# Altium PCB 3-as-manufactured.pcbdoc (part 9 of 12)
Units mil, origin at the board's own origin, x right, y up, seen from the top; angles counter-clockwise.
Board outline 2728 x 2217 mil, 8 copper layers (L1_TOP, L2_GND, L3_INNER1, L4_GND, L5_PWR, L6_INNER2, L7_GND, L8_BOT), stack 48.618 mil thick; 227 components, 321 nets, 1592 pads, 1187 vias.
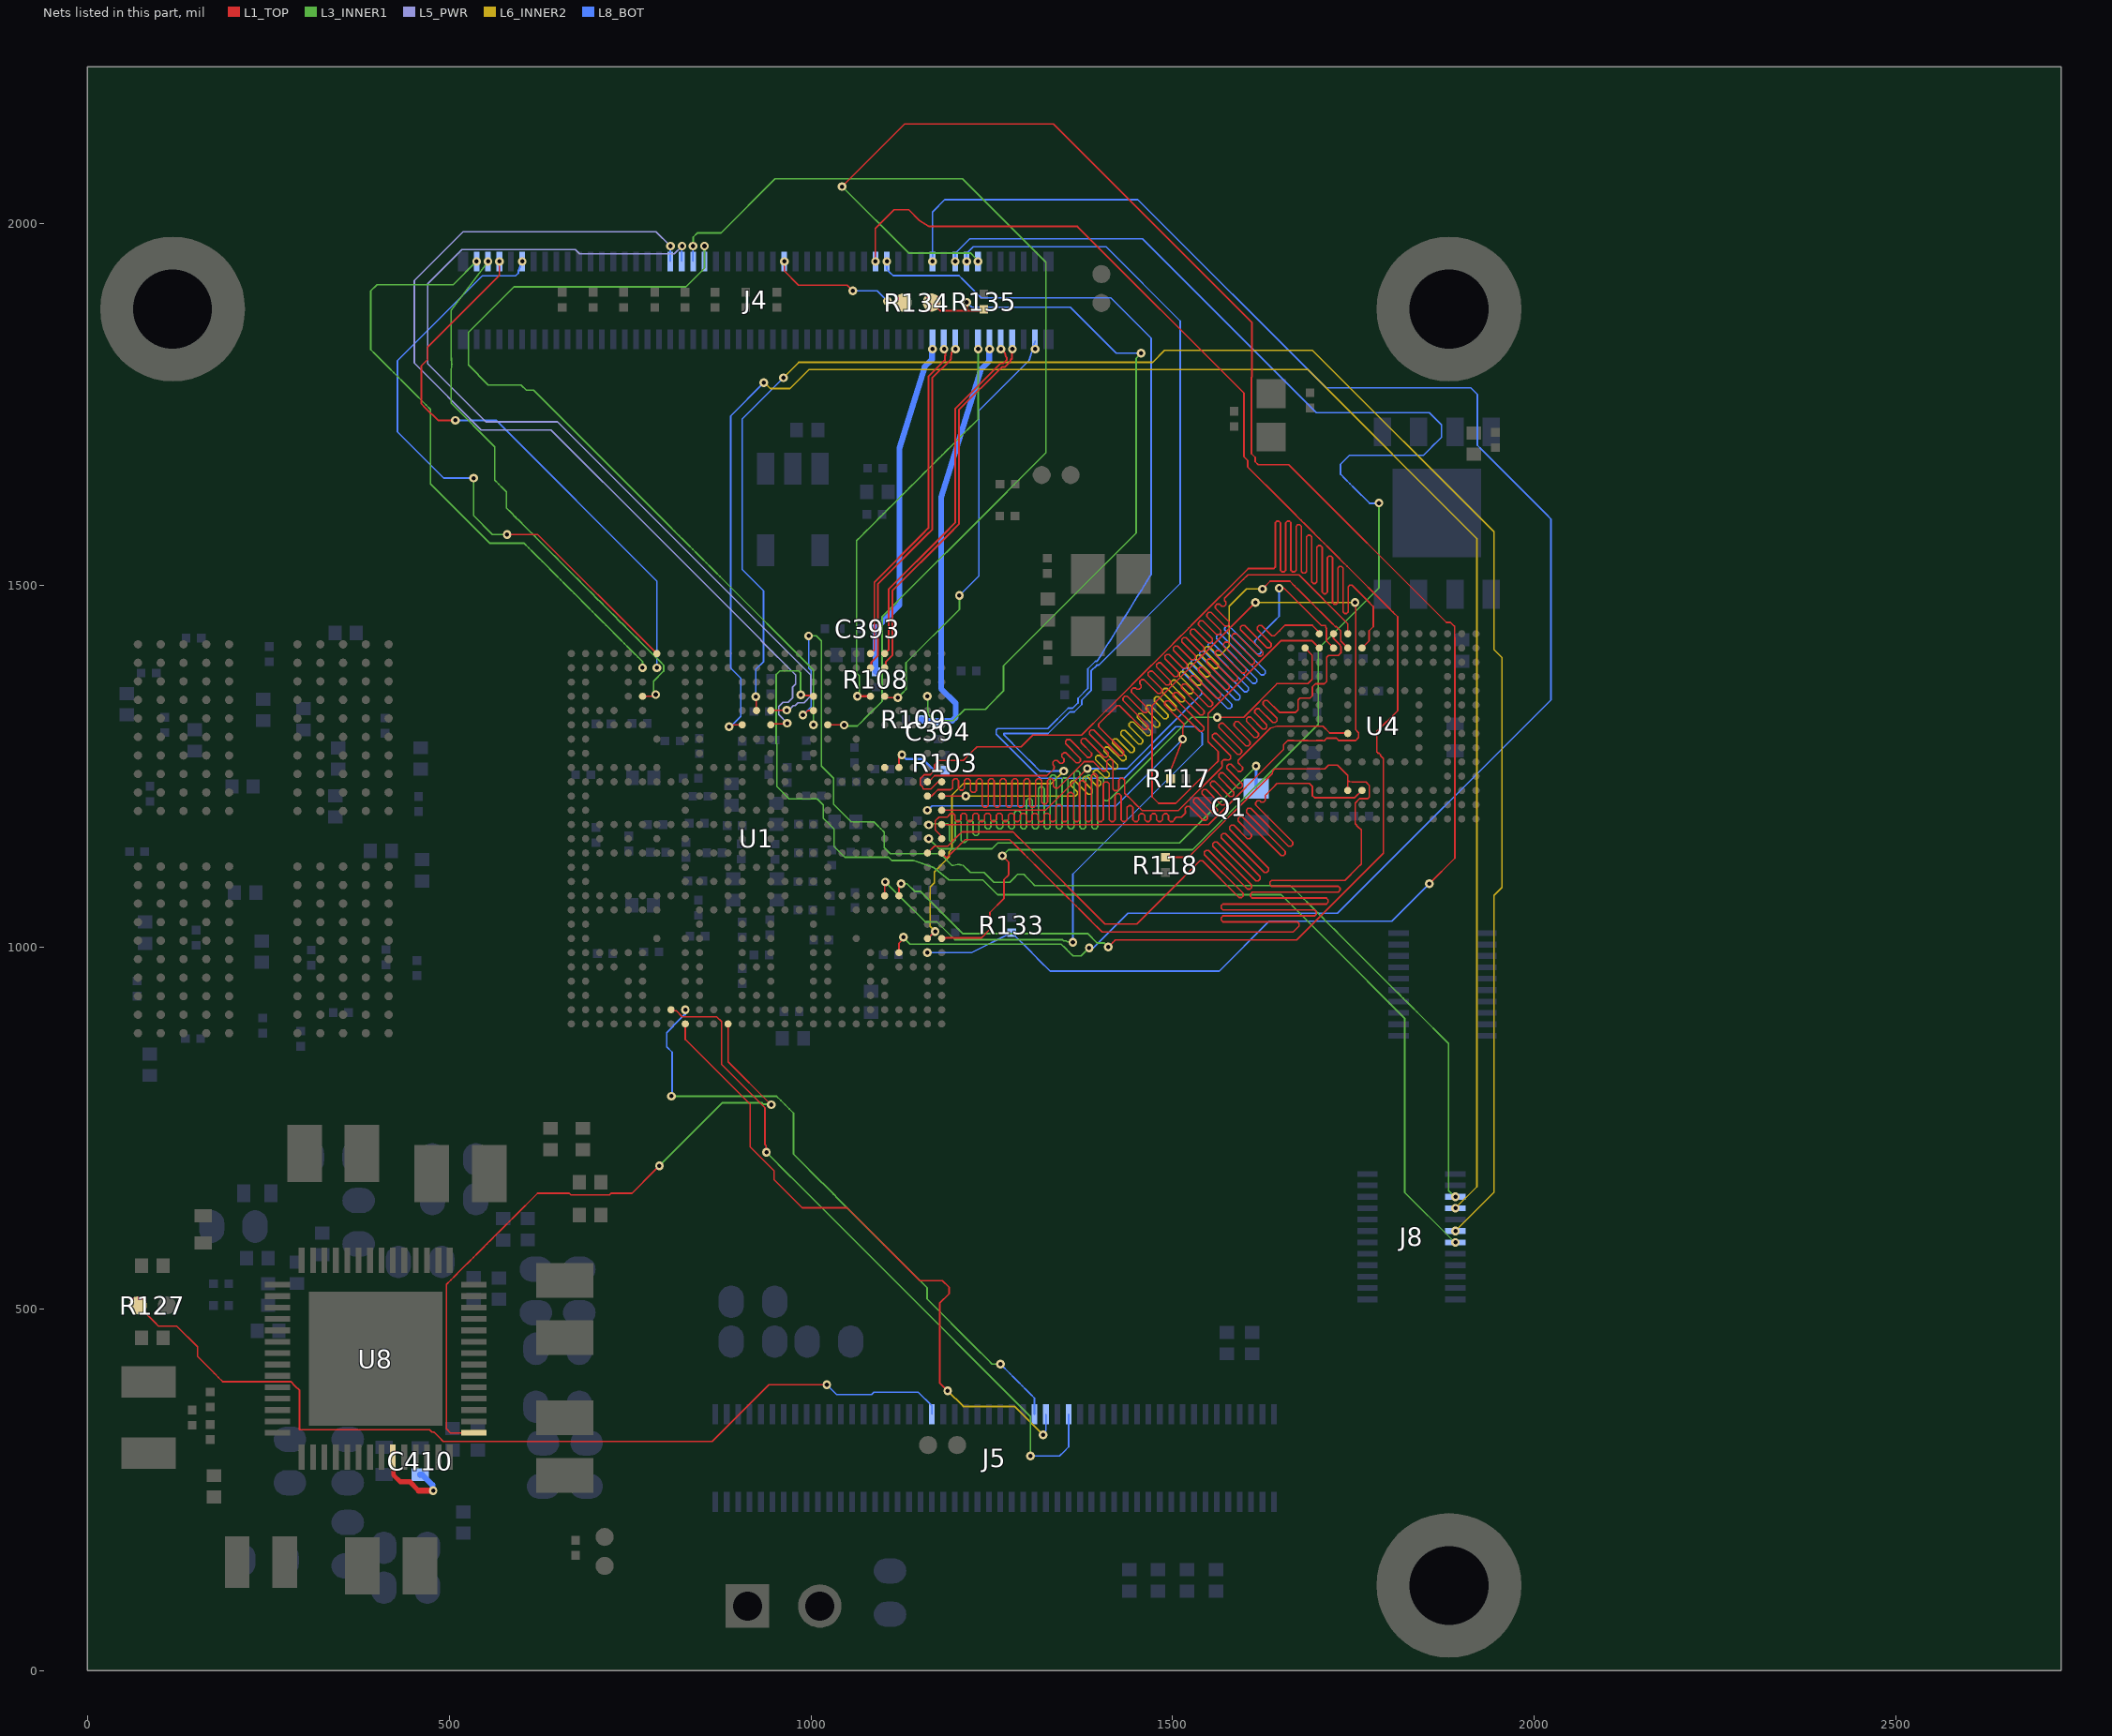
[diagram p15: the nets of this part, all layers, seen from the top]

## Via types
v1: diameter 12, hole 5.9, L1_TOP to L8_BOT, tented both sides, 1041 vias
v2: diameter 18, hole 8, L1_TOP to L8_BOT, tented both sides, 146 vias

## Nets (pads, with @x,y where several pads share a name; then routed paths per layer and width w, separated by ;. In a path a pad name is that pad's centre, name@x,y a point inside that pad or via, vN(x,y) a via of type N, cw(c..) or ccw(c..) an arc to the next point about the centre after c; other vN are vias at no path point) (continued)
SD2_DATA1: J4.82 U1.AB24 | length 2480.9
  L1_TOP w2.2: U1.AB24@1121.74,992.42 1121.74,1005.61 1128,1011.87 v1(1128,1014)
  L3_INNER1 w2.2: v1(1128,1014) 1128,1013.3 1136.89,1004.41 1171.73,1004.41 1180.44,1004.41 1223.98,1004.41 1345.91,1004.41 1351.4,998.92 1356.9,993.42 1362.39,987.93 1373.39,987.93 v1(1384.58,999.11)
  L8_BOT w2.2: v1(1167.98,1947.75) 1167.97,2016.14 1184.88,2033.04 1451.96,2033.04 1712.02,1772.98 1911.86,1772.98 1920.94,1763.91 1920.94,1693.69 1927.3,1687.33 2010.03,1604.61 2016.39,1598.24 2022.76,1591.88 2022.76,1341.76 1727.89,1046.89 1437.99,1046.89 1390.21,999.11 v1(1384.58,999.11)
SD2_DATA2: J4.72 U1.V24 | length 2185.8
  L1_TOP w2.2: v1(1089.24,1947.75) 1089.24,1993.24 1115,2019 1135.43,2019 1149.95,2004.48 1163.62,1996.07 1368.42,1996.07 1598.5,1765.99 1598.5,1677.75 1603.7,1672.55 1603.7,1663.79 1651.93,1615.56 1658.29,1609.2 1664.64,1602.85 1677.36,1590.13 1683.71,1583.78 1690.07,1577.42 1702.78,1564.71 1709.14,1558.35 1715.49,1552 1728.21,1539.28 1734.56,1532.93 1740.92,1526.57 1798.12,1469.37 1804.48,1463.01 1810.84,1456.65 1810.84,1439.34 1810.84,1387.41 1810.84,1378.75 1810.84,1361.44 1810.84,1344.13 1810.84,1326.82 1782.18,1298.16 1782.18,1269.78 1783.81,1268.15 1784.96,1268.15 1787.16,1265.95 1787.16,1264.8 1791.18,1260.78 1791.18,1173.23 1791.22,1173.19 1791.22,1130.11 1671.11,1009.99 1420.75,1009.99 1417.14,1006.39 v1(1411.03,1000.28) ; U1.V24@1121.74,1071.16 1121.74,1086.83 v1@1124.69,1089.78
  L3_INNER1 w2.2: v1(1124.64,1087.96) 1132.68,1087.95 1143.42,1077.22 1151.4,1077.22 1209.69,1018.93 1225,1018.93 1382.53,1018.93 1395.73,1005.73 1405.59,1005.73 v1(1411.03,1000.28)
SD2_DATA3: J4.74 U1.V23 | length 2106.2
  L1_TOP w2.2: U1.V23@1102.05,1071.16 1102.05,1089.3 v1(1102.93,1090.18)
  L3_INNER1 w2.2: v1(1102.93,1090.18) 1109.07,1084.04 1121.34,1071.77 1127.48,1065.63 1158.15,1034.96 1174.24,1034.96 1198.78,1010.41 1344.08,1010.41 1347.8,1010.41 1349.33,1008.88 1353.05,1008.88 1354.27,1007.66 1361.32,1007.66 v1(1362.08,1006.9)
  L8_BOT w2.2: J4.74@1105,1947.76 1104.98,1936.74 1109.26,1932.47 1113.53,1928.19 1204.62,1928.19 1210.81,1922.01 1223.18,1909.64 1229.37,1903.45 1235.55,1897.26 1368,1897.26 1376.83,1897.26 1414.43,1897.26 1470.16,1841.54 1470.16,1514.99 1465.47,1507.45 1460.78,1499.91 1456.09,1492.37 1451.4,1484.83 1446.71,1477.29 1442.02,1469.75 1437.33,1462.21 1432.64,1454.67 1427.96,1447.13 1423.27,1439.59 1418.58,1432.05 1413.89,1424.51 1409.2,1416.97 1404.51,1409.43 1399.82,1401.89 1396.19,1396.06 1395.15,1395.02 1394.32,1395.02 1393.06,1395.02 1382.8,1384.76 1382.8,1357.68 1369.09,1343.97 1369.09,1337.6 1361.88,1330.39 1355.51,1330.39 1327.23,1302.11 1257.92,1302.11 1256.23,1300.42 1256.23,1294.38 1316.92,1233.69 1325.85,1233.69 1343.71,1233.69 1352.64,1233.69 1361.57,1233.69 1433.02,1233.69 1504.21,1304.89 1531.59,1304.89 1540.75,1295.72 1540.75,1279.75 1362.08,1101.08 1362.08,1018.73 v1(1362.08,1006.9)
  other v1: 1104.99,1947.75
SD2_NCD: J4.88 U1.AA26 | length 1557.6
  L1_TOP w2.2: U1.AA26@1161.11,1012.1 1161.53,1012.1 1171.31,1021.88 v1(1171.73,1021.88)
  L6_INNER2 w2.2: v1(1171.73,1021.88) 1164.64,1028.97 1164.64,1083.4 1170.52,1089.28 1170.52,1104.13 1191.07,1124.68 1191.07,1131.98 1195,1135.92 1195,1210 1211,1226 1225,1226 1332.15,1226 v1(1349.59,1243.44)
  L8_BOT w2.2: v1(1215.23,1947.75) 1215.22,1958.79 1224.24,1967.82 1408.02,1967.82 1510.43,1865.41 1510.43,1679.32 1510.43,1670.36 1510.43,1661.4 1510.43,1652.44 1510.43,1506.58 1510.43,1502.55 1397.7,1389.82 1395.21,1389.82 1387.2,1381.81 1387.2,1354.72 1374.29,1341.81 1374.29,1335.44 1364.04,1325.19 1357.66,1325.19 1327.77,1295.3 1266.43,1295.3 1266.43,1293.64 1291.52,1268.54 1297.8,1262.27 1304.07,1255.99 1316.62,1243.44 1324.86,1243.44 1325.49,1242.82 1332.48,1242.82 1333.11,1243.44 v1(1349.59,1243.44)
SD2_NRST: J4.90 R133.2 U1.AB26 | length 2653
  L1_TOP w2.2: v1(1043.22,2051.16) 1129.61,2137.55 1334.98,2137.55 1609.59,1862.93 1609.59,1788.63 1608.9,1787.94 1608.9,1682.06 1614.1,1676.86 1614.1,1671.12 1618.41,1666.81 1660.25,1666.81 1878.28,1448.78 1883.85,1448.78 1886.63,1446 1889.41,1443.22 1889.41,1428.68 1889.89,1428.2 1889.89,1419.22 1889.89,1329.48 1889.89,1320.51 1889.89,1230.76 1889.89,1221.79 1889.89,1212.81 1889.89,1203.84 1889.89,1167.94 1889.89,1123.07 v1(1854.64,1087.81)
  L3_INNER1 w2.2: v1(1043.22,2051.16) 1135.02,1959.36 1220.37,1959.36 1227.93,1951.79 v1(1230.98,1947.75)
  L8_BOT w2.2: v1(1161.11,992.42) 1182.14,992.42 1198.14,992.42 1222.14,992.42 R133.2@1277.5,1020.09 1302.65,994.96 1308.93,988.67 1315.22,982.39 1330.52,967.08 1564.27,967.08 1633.01,1035.82 1802.65,1035.82 v1(1854.64,1087.81)
SD2_VSEL: U1.AG12 U8.29 | length 930.9
  L1_TOP w2.2: U8.29@534.52,328.87 502.01,328.88 496.28,334.6 496.28,343.28 496.28,351.95 496.28,360.61 496.28,369.28 496.28,377.95 496.28,386.61 496.28,395.28 496.28,403.95 496.28,412.61 496.28,421.28 496.28,429.95 496.28,438.61 496.28,447.28 496.28,455.95 496.28,464.61 496.28,473.28 496.28,481.95 496.28,490.61 496.28,499.28 496.28,507.95 496.28,516.61 496.28,525.28 496.28,533.95 502.51,540.17 508.73,546.4 514.96,552.63 521.19,558.86 527.42,565.08 533.64,571.31 539.87,577.54 546.1,583.76 552.32,589.99 558.55,596.22 564.78,602.45 571.01,608.67 577.23,614.9 583.46,621.13 589.69,627.35 622.33,660 666.2,660 668.3,657.9 721.7,657.9 723.8,660 752.92,660 784.2,691.29 v1(790.66,697.74) ; U1.AG12@885.76,892.8 885.76,841.63 945.01,782.38 v1(945.21,782.38)
  L3_INNER1 w2.2: v1(790.66,697.74) 878.01,785.09 885.8,785.09 893.58,785.09 901.37,785.09 909.16,785.09 916.94,785.09 924.73,785.09 932.51,785.09 934.47,783.13 944.46,783.13 v1(945.21,782.38)
SD2_WP: J4.86 U1.AA27 | length 2094.2
  L1_TOP w2.2: U1.AA27@1180.8,1012.1 1181.17,1012.47 1182.55,1012.47 1182.93,1012.85 1235.35,1012.85 1247.5,1025 1247.5,1047.99 1266.73,1067.22 1266.73,1093.28 1272.92,1099.47 1273.38,1099.94 1273.38,1117.46 v1(1264.51,1126.34)
  L3_INNER1 w2.2: v1(1264.51,1126.34) 1272.87,1134.71 1527.71,1134.71 1701,1308 1701,1412.54 1785,1496.54 v1(1785,1614)
  L8_BOT w2.2: v1(1199.48,1947.75) 1199.47,1958.79 1219.57,1978.89 1458.3,1978.89 1698.43,1738.76 1854.72,1738.76 1871.43,1722.06 1871.43,1713.4 1871.43,1704.75 1866.01,1699.32 1860.58,1693.9 1855.16,1688.47 1846.58,1679.9 1744.21,1679.9 1731.89,1667.58 1731.89,1653.67 1738.84,1646.72 1744.89,1640.67 1750.95,1634.61 1772.15,1613.42 1784.41,1613.42 v1(1785,1614)
SD3_CLK: U1.R26 U4.M6 | length 1753
  L1_TOP w2.2: U1.R26@1161.11,1130.22 1170.64,1139.75 1189.18,1139.75 1203.84,1154.41 1208.72,1159.29 1279.39,1159.29 1285.49,1153.19 1291.59,1147.1 1294.64,1144.05 1406.54,1032.14 1450.38,1032.14 1512.46,1094.23 1518.76,1100.53 1531,1112.77 1531.78,1113.55 1537.58,1119.34 1541.06,1119.34 1591.75,1068.65 1595.23,1068.65 1597.55,1070.97 1597.55,1074.45 1543.87,1128.13 1543.87,1131.61 1546.19,1133.93 1549.67,1133.93 1603.35,1080.24 1606.83,1080.24 1609.15,1082.56 1609.15,1086.04 1555.46,1139.73 1555.46,1143.21 1557.78,1145.53 1561.26,1145.53 1614.95,1091.84 1618.42,1091.84 1620.74,1094.16 1620.74,1097.64 1567.06,1151.32 1567.06,1154.8 1569.38,1157.12 1572.86,1157.12 1626.54,1103.44 1630.02,1103.44 1632.34,1105.76 1632.34,1109.24 1578.66,1162.92 1578.66,1166.4 1580.98,1168.72 1584.45,1168.72 1603.05,1150.12 1606.53,1150.12 1608.85,1152.44 1608.85,1155.92 1590.25,1174.52 1590.25,1178 1592.57,1180.32 1596.05,1180.32 1649.74,1126.63 1653.21,1126.63 1655.53,1128.95 1655.53,1132.43 1601.85,1186.11 1601.85,1189.59 1604.17,1191.91 1607.65,1191.91 1659.95,1139.61 1663.43,1139.61 1665.75,1141.93 1665.75,1145.41 1614.69,1196.46 1614.69,1199.94 1617.01,1202.26 1620.49,1202.26 1622.23,1200.52 1625.71,1200.52 1628.03,1202.84 1628.03,1206.32 1628.03,1209.8 1629.35,1211.12 1630.13,1211.9 1632.13,1213.89 1638.42,1220.19 1643.9,1226.38 ; 1645.38,1226.38 1689,1226.38 1692.9,1222.48 1692.9,1209.76 1695.9,1206.76 1751.73,1206.76 U4.M6@1761.65,1216.68
SD3_CMD: R118.2 U1.R27 U4.M5 | length 2076.2
  L1_TOP w2.2: U1.R27@1180.8,1130.22 1187.64,1123.38 1194,1129.74 1200.35,1136.09 1206.71,1142.45 1213.07,1148.81 1274.64,1148.81 1280.77,1142.68 1293.02,1130.43 1299.14,1124.31 1317.52,1105.93 1323.64,1099.81 1342.02,1081.43 1348.14,1075.31 1366.52,1056.93 1372.64,1050.81 1384.89,1038.56 1391.01,1032.43 1397.14,1026.31 1402.37,1021.07 1666.53,1021.07 1673.52,1028.07 1674.63,1029.17 1674.63,1032.65 1672.17,1035.11 1569.37,1035.11 1566.91,1037.57 1566.91,1040.85 1569.37,1043.31 1696.02,1043.31 1698.48,1045.77 1698.48,1049.05 1696.02,1051.51 1569.37,1051.51 1566.91,1053.97 1566.91,1057.25 1569.37,1059.71 1712.42,1059.71 1714.88,1062.17 1714.88,1065.45 1712.42,1067.91 1610.01,1067.91 1607.55,1070.37 1607.55,1073.65 1610.01,1076.11 1728.82,1076.11 1731.28,1078.57 1731.28,1081.85 1728.82,1084.31 1636.76,1084.31 1634.3,1086.77 1634.3,1090.05 1636.76,1092.51 1737.96,1092.51 1755.14,1109.68 1760.56,1115.1 1760.56,1162.05 1756.33,1166.28 1752.1,1170.51 1752.1,1199.27 1758.18,1205.35 1769.67,1205.35 1771.78,1207.47 1771.78,1223.54 1767.07,1228.25 1747.72,1228.25 1743.46,1229.19 ; R118.2@1490,1124.51 1521.99,1124.51 1637.49,1240 1638.29,1243.68 1640.87,1246.34 ; 1642.36,1246.35 1710.01,1246.35 1715.48,1251.82 1727.47,1251.82 1741.97,1237.32 U4.M5@1741.97,1216.68
SD3_DATA0: R117.2 U1.M26 U4.A3 | length 1716.7
  L1_TOP w2.2: R117.2@1496.98,1233 1496.98,1244.1 v1(1513.77,1287.63) 1513.77,1303.44 1514.54,1304.22 1515.32,1304.99 1515.32,1308.47 1489.1,1334.69 1489.1,1338.17 1491.42,1340.49 1494.9,1340.49 1537.15,1298.25 1540.62,1298.25 1542.94,1300.57 1542.94,1304.04 1500.7,1346.29 1500.7,1349.77 1503.02,1352.09 1506.5,1352.09 1537.68,1320.9 1541.16,1320.9 1543.48,1323.22 1543.48,1326.7 1512.3,1357.89 1512.3,1361.36 1514.62,1363.68 1518.09,1363.68 1549.17,1332.61 1552.65,1332.61 1554.97,1334.93 1554.97,1338.41 1523.89,1369.48 1523.89,1372.96 1526.21,1375.28 1529.69,1375.28 1560.77,1344.2 1564.25,1344.2 1566.56,1346.52 1566.56,1350 1535.49,1381.08 1535.49,1384.56 1537.81,1386.88 1541.29,1386.88 1572.36,1355.8 1575.84,1355.8 1578.16,1358.12 1578.16,1361.6 1547.09,1392.67 1547.09,1396.15 1549.4,1398.47 1552.88,1398.47 1583.96,1367.4 1587.44,1367.4 1589.76,1369.72 1589.76,1373.2 1558.68,1404.27 1558.68,1407.75 1561,1410.07 1564.48,1410.07 1595.56,1378.99 1599.03,1378.99 1601.35,1381.31 1601.35,1384.79 1570.28,1415.87 1570.28,1419.35 1572.6,1421.67 1576.08,1421.67 1607.15,1390.59 1610.63,1390.59 1612.95,1392.91 1612.95,1396.39 1581.88,1427.46 1581.88,1430.94 1584.19,1433.26 1587.67,1433.26 1618.75,1402.19 1622.23,1402.19 1624.55,1404.51 1624.55,1407.99 1593.47,1439.06 1593.47,1442.54 1595.79,1444.86 1599.27,1444.86 1630.35,1413.78 1633.82,1413.78 1636.14,1416.1 1636.14,1419.58 1616.93,1438.79 1616.93,1442.27 1619.25,1444.59 1622.73,1444.59 1637.09,1430.24 1640.56,1430.24 1647.57,1437.24 1655.31,1444.98 1656.89,1444.88 1692.98,1444.87 1702.6,1435.25 U4.A3@1702.6,1433.21
  L8_BOT w2.2: v1(1161.11,1189.27) 1167.35,1195.48 1421.61,1195.48 v1(1513.77,1287.63)
SD3_DATA1: U1.L26 U4.A4 | length 1759
  L1_TOP w2.2: U1.L26@1161.11,1208.96 1166.88,1208.96 1175.54,1217.61 1192.34,1217.61 1193.44,1217.61 1195.9,1220.07 1195.9,1230.35 1198.36,1232.81 1201.64,1232.81 1204.1,1230.35 1204.1,1219.56 1206.56,1217.1 1209.84,1217.1 1212.3,1219.56 1212.3,1230.35 1214.76,1232.81 1218.04,1232.81 1220.5,1230.35 1220.5,1216.41 1222.96,1213.95 1226.24,1213.95 1228.7,1216.41 1228.7,1230.35 1231.16,1232.81 1234.44,1232.81 1236.9,1230.35 1236.9,1195.97 1239.36,1193.51 1242.64,1193.51 1245.1,1195.97 1245.1,1230.35 1247.56,1232.81 1250.84,1232.81 1253.3,1230.35 1253.3,1195.97 1255.76,1193.51 1259.04,1193.51 1261.5,1195.97 1261.5,1230.35 1263.96,1232.81 1267.24,1232.81 1269.7,1230.35 1269.7,1195.97 1272.16,1193.51 1275.44,1193.51 1277.9,1195.97 1277.9,1230.35 1280.36,1232.81 1283.64,1232.81 1286.1,1230.35 1286.1,1195.97 1288.56,1193.51 1291.84,1193.51 1294.3,1195.97 1294.3,1230.35 1296.76,1232.81 1300.04,1232.81 1302.5,1230.35 1302.5,1195.97 1304.96,1193.51 1308.24,1193.51 1310.7,1195.97 1310.7,1230.35 1313.16,1232.81 1316.44,1232.81 1318.9,1230.35 1318.9,1200.34 1321.36,1197.88 1324.64,1197.88 1327.1,1200.34 1327.1,1230.43 1329.56,1232.89 1332.84,1232.89 1335.3,1230.43 1335.3,1222.47 1337.76,1220.01 1341.24,1220.01 1377.72,1256.49 1390.14,1256.49 1403.16,1243.47 1406.64,1243.47 1409.1,1245.93 1409.1,1257.15 1411.56,1259.61 1414.84,1259.61 1417.3,1257.15 1417.3,1218.71 1419.76,1216.25 1423.04,1216.25 1425.5,1218.71 1425.5,1231.09 1427.96,1233.55 1431.24,1233.55 1433.7,1231.09 1433.7,1212.93 1445.55,1201.08 1446.65,1199.98 1457.89,1188.75 1507.8,1188.75 1567.66,1248.61 1568.44,1249.38 1568.44,1252.86 1568.06,1253.24 1568.06,1256.72 1570.38,1259.04 1573.86,1259.04 1574.29,1258.61 1577.77,1258.61 1580.09,1260.93 1580.09,1264.4 1554.82,1289.67 1554.82,1293.15 1557.14,1295.47 1560.62,1295.47 1589.45,1266.64 1592.93,1266.64 1595.24,1268.96 1595.24,1272.44 1563.89,1303.79 1563.89,1307.27 1566.21,1309.59 1569.69,1309.59 1601.04,1278.24 1604.52,1278.24 1606.84,1280.56 1606.84,1284.04 1584.92,1305.96 1584.92,1309.44 1587.24,1311.76 1590.72,1311.76 1612.64,1289.84 1616.12,1289.84 1618.44,1292.15 1618.44,1295.63 1601.87,1312.21 1601.87,1315.68 1604.19,1318 1607.66,1318 1624.24,1301.43 1627.71,1301.43 1630.03,1303.75 1630.03,1307.23 1613.46,1323.8 1613.46,1327.28 1615.78,1329.6 1619.26,1329.6 1638.34,1310.52 1641.82,1310.52 1644.14,1312.84 1644.14,1316.32 1625.06,1335.4 1625.06,1338.88 1627.38,1341.2 1630.86,1341.2 1647.42,1324.63 1670.08,1324.63 1673.31,1327.86 1673.36,1327.91 1673.36,1341.65 1676.02,1344.32 1689.76,1344.32 1693.04,1347.6 1693.04,1359.65 1697.4,1364 1709.45,1364 1712.73,1367.28 1712.73,1400.63 1715.47,1403.38 1729.09,1403.38 1732.41,1406.69 1732.41,1415.49 1731.48,1416.42 1731.48,1417.44 1722.29,1426.63 1722.29,1427.46 U4.A4@1722.28,1433.21
SD3_DATA2: U1.K26 U4.A5 | length 1759.2
  L1_TOP w2.2: U1.K26@1161.1,1228.64 1162.7,1228.64 1171.07,1237.01 1326.27,1237.01 1335.47,1246.2 1336.25,1246.98 1336.25,1250.46 1334.39,1252.32 1334.39,1255.8 1336.71,1258.11 1340.19,1258.11 1344.05,1254.25 1347.53,1254.25 1349.85,1256.57 1349.85,1260.05 1347,1262.9 1347,1266.38 1349.32,1268.7 1352.79,1268.7 1366.65,1254.84 1370.13,1254.84 1372.45,1257.16 1372.45,1260.64 1351.83,1281.26 1351.83,1284.74 1354.15,1287.06 1357.63,1287.06 1382.25,1262.43 1385.73,1262.43 1388.05,1264.75 1388.05,1268.23 1373.38,1282.9 1373.38,1286.38 1375.7,1288.7 1379.18,1288.7 1405.2,1262.68 1408.68,1262.68 1411,1265 1411,1268.47 1384.98,1294.5 1384.98,1297.98 1387.29,1300.3 1390.77,1300.3 1426.44,1264.64 1429.92,1264.64 1432.23,1266.96 1432.23,1270.44 1397.71,1304.96 1397.71,1308.44 1423.22,1333.95 1426.7,1333.95 1459.81,1300.84 1463.29,1300.84 1465.61,1303.16 1465.61,1306.64 1431.36,1340.89 1431.36,1344.37 1433.68,1346.69 1437.16,1346.69 1459.81,1324.04 1463.29,1324.04 1465.61,1326.36 1465.61,1329.83 1442.96,1352.48 1442.96,1355.96 1445.28,1358.28 1448.76,1358.28 1450.43,1356.61 1453.91,1356.61 1456.22,1358.93 1456.22,1362.41 1454.55,1364.08 1454.55,1367.56 1456.87,1369.88 1460.35,1369.88 1479.3,1350.93 1482.78,1350.93 1485.1,1353.25 1485.1,1356.73 1466.15,1375.68 1466.15,1379.16 1468.47,1381.48 1471.95,1381.48 1490.9,1362.52 1494.38,1362.52 1496.7,1364.84 1496.7,1368.32 1477.75,1387.27 1477.75,1390.75 1480.07,1393.07 1483.55,1393.07 1502.5,1374.12 1505.98,1374.12 1508.3,1376.44 1508.3,1379.92 1489.34,1398.87 1489.34,1402.35 1491.66,1404.67 1495.14,1404.67 1514.09,1385.72 1517.57,1385.72 1519.89,1388.04 1519.89,1391.52 1500.94,1410.47 1500.94,1413.95 1503.26,1416.27 1506.74,1416.27 1525.69,1397.31 1529.17,1397.31 1531.49,1399.63 1531.49,1403.11 1512.54,1422.06 1512.54,1425.54 1514.86,1427.86 1518.34,1427.86 1537.29,1408.91 1540.77,1408.91 1543.09,1411.23 1543.09,1414.71 1524.13,1433.66 1524.13,1437.14 1526.45,1439.46 1529.93,1439.46 1548.88,1420.51 1552.36,1420.51 1554.68,1422.83 1554.68,1426.31 1535.73,1445.26 1535.73,1448.74 1538.05,1451.05 1541.53,1451.05 1560.48,1432.1 1563.96,1432.1 1566.28,1434.42 1566.28,1437.9 1547.33,1456.85 1547.33,1460.33 1549.65,1462.65 1553.13,1462.65 1572.08,1443.7 1575.56,1443.7 1577.88,1446.02 1577.88,1449.5 1558.92,1468.45 1558.92,1471.93 1561.24,1474.25 1564.72,1474.25 1567.75,1471.22 1571.23,1471.22 1573.54,1473.54 1573.54,1477.02 1571.66,1478.91 1571.66,1482.39 1597.84,1508.58 1603.79,1514.52 1674.45,1514.52 1741.97,1447.01 U4.A5@1741.97,1433.21
SD3_DATA3: U1.N26 U4.B2 | length 1736.1
  L1_TOP w2.2: v1(1561.45,1317.7) 1597.94,1317.7 1642.99,1362.75 ; 1643.75,1364.25 1686.76,1364.25 1692.86,1370.35 1692.86,1403.58 U4.B2@1682.91,1413.53
  L3_INNER1 w2.2: v1@1163.2,1170.59 1188.91,1170.59 1191.37,1168.13 1191.37,1147.61 1193.83,1145.15 1197.11,1145.15 1199.57,1147.61 1199.57,1172.95 1202.03,1175.41 1205.31,1175.41 1207.77,1172.95 1207.77,1147.61 1210.23,1145.15 1213.51,1145.15 1215.97,1147.61 1215.97,1172.95 1218.43,1175.41 1221.71,1175.41 1224.17,1172.95 1224.17,1157.08 1226.63,1154.62 1229.91,1154.62 1232.37,1157.08 1232.37,1172.95 1234.83,1175.41 1238.11,1175.41 1240.57,1172.95 1240.57,1166.04 1243.03,1163.58 1246.31,1163.58 1248.77,1166.04 1248.77,1172.95 1251.23,1175.41 1254.51,1175.41 1256.97,1172.95 1256.97,1166.04 1259.43,1163.58 1262.71,1163.58 1265.17,1166.04 1265.17,1172.95 1267.63,1175.41 1270.91,1175.41 1273.37,1172.95 1273.37,1166.04 1275.83,1163.58 1279.11,1163.58 1281.57,1166.04 1281.57,1186.38 1284.03,1188.84 1287.31,1188.84 1289.77,1186.38 1289.77,1166.04 1292.23,1163.58 1295.51,1163.58 1297.97,1166.04 1297.97,1202.78 1300.43,1205.24 1303.71,1205.24 1306.17,1202.78 1306.17,1166.04 1308.63,1163.58 1311.91,1163.58 1314.37,1166.04 1314.37,1219.18 1316.83,1221.64 1320.11,1221.64 1322.57,1219.18 1322.57,1166.04 1325.03,1163.58 1328.31,1163.58 1330.77,1166.04 1330.77,1235.58 1333.23,1238.04 1336.51,1238.04 1338.97,1235.58 1338.97,1166.04 1341.43,1163.58 1344.71,1163.58 1347.17,1166.04 1347.17,1231.88 1349.63,1234.34 1352.91,1234.34 1355.37,1231.88 1355.37,1166.04 1357.83,1163.58 1361.11,1163.58 1363.57,1166.04 1363.57,1241.1 1366.03,1243.56 1369.31,1243.56 1371.77,1241.1 1371.77,1166.04 1374.23,1163.58 1377.51,1163.58 1379.97,1166.04 1379.97,1235.29 1382.43,1237.75 1385.71,1237.75 1388.17,1235.29 1388.17,1166.04 1390.63,1163.58 1393.91,1163.58 1396.37,1166.04 1396.37,1232.05 1398.83,1234.51 1402.11,1234.51 1404.57,1232.05 1404.57,1204.72 1407.03,1202.26 1410.5,1202.26 1416.69,1208.45 1525.94,1317.7 v1(1561.45,1317.7)